# KiCad board master-circuit.kicad_pcb (continued)
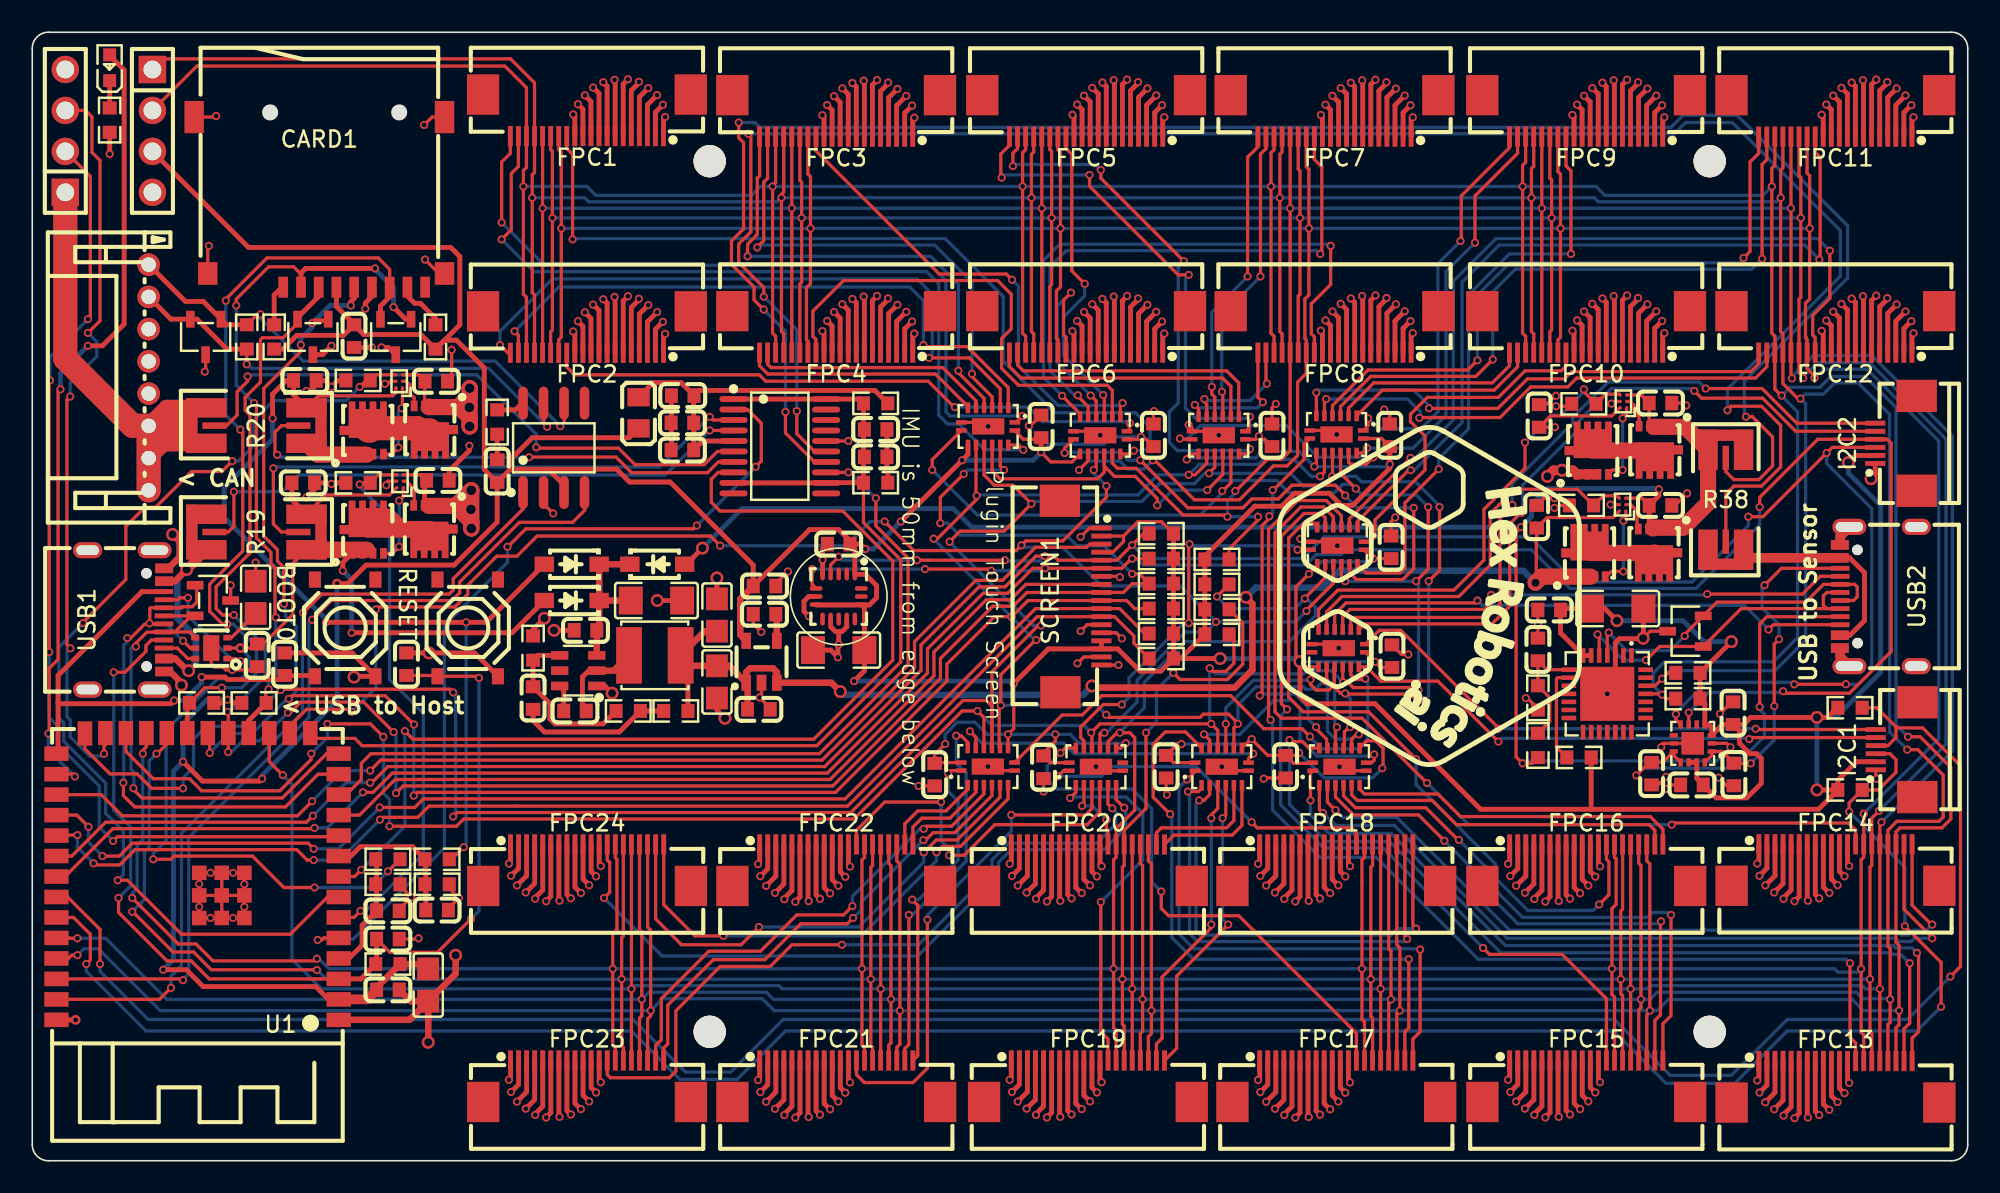
[diagram p0: board, top side]
## Routing (per net, layer and track width the routed paths; a pad name or vN(x,y) marks a point on that pad's centre or on a via; arc(x,y) is an arc through that point) (continued)
I2C1_BOOT0/STOP: length 34.6
  Top w0.2: v1(90.9,26.8) 90.9,26.85 84.85,32.9 83.51,32.9 U8.1 ; v1(106.85,26.8) 106.9,26.75 I2C1.6
  Bottom w0.2: v1(90.9,26.8) v1(106.85,26.8)
I2C1_NRST: length 34.1
  Top w0.2: I2C1.5 106.55,26.25 v1(106.45,26.15) ; U8.15 82.72,30.64 83.6,29.75 87.15,29.75 v1(90.9,26)
  Bottom w0.2: v1(90.9,26) 91.1,26.2 106.4,26.2 v1(106.45,26.15)
I2C1_SCL: length 151.8
  Top w0.2: I2C1.4 115.05,25.75 115.55,26.25 115.55,26.91 ; 115.55,26.91 115.61,26.85 117.2,26.85 119.55,24.5 119.55,12.05 v1(118.93,11.42) ; 115.55,26.91 114.36,28.1 R24.1 ; U1.34 2.19,16.36 4.2,14.35 v1(4.2,12.2)
  Bottom w0.2: v1(4.2,12.2) 4.2,11.75 7.19,8.76 37.24,8.76 40.5,5.5 43.3,5.5 46.56,8.76 53.56,8.76 53.56,8.76 54.02,8.76 54.02,8.76 69.16,8.76 69.16,8.76 69.62,8.76 69.62,8.76 84.56,8.76 84.56,8.76 85.02,8.76 85.02,8.76 98.09,8.76 101.55,5.3 105.35,5.3 108.81,8.76 115.51,8.76 115.51,8.76 116.26,8.76 v1(118.93,11.42)
I2C1_SDA: length 148.2
  Top w0.2: v1(116.1,14.56) 116.1,14.55 118.35,12.3 v1(118.35,9.55) ; v1(112.65,21.65) 112.65,22.2 R25.1 114.45,23 115.55,24.1 115.55,24.88 115.18,25.25 I2C1.3 ; v1(3.35,12.2) 3.6,12.45 3.6,14.05 2.56,15.09 U1.35
  Bottom w0.2: v1(116.1,14.56) 116.09,14.56 116.1,14.56 116.1,18.2 v1(112.65,21.65) ; v1(3.35,12.2) 3.35,11.75 7.05,8.05 37.15,8.05 40.15,5.05 43.7,5.05 46.7,8.05 98.05,8.05 101.3,4.8 105.55,4.8 108.8,8.05 116.85,8.05 v1(118.35,9.55)
I2C2_BOOT0/STOP: length 44.4
  Top w0.2: U8.3 81.75,33.52 81.93,33.7 90.2,33.7 91,34.5 91,39.9 91.76,40.66 v1(91.76,40.69) ; v1(103.75,47.9) 107.25,47.9 109.4,45.75 I2C2.6
  Bottom w0.2: v1(103.75,47.9) 103.35,48.3 97.7,48.3 95.5,46.1 95.5,45.75 91.75,42 91.75,40.7 v1(91.76,40.69)
I2C2_NRST: length 43.5
  Top w0.2: I2C2.5 109.33,45.25 107.28,47.3 103.5,47.3 v1(103.05,47.75) ; U8.2 82.6,33.3 90.5,33.3 91.6,34.4 91.6,39.5 92.3,40.2 v1(92.35,40.2)
  Bottom w0.2: v1(103.05,47.75) 102.9,47.9 97.9,47.9 95.9,45.9 95.9,45.4 92.4,41.9 92.4,40.25 v1(92.35,40.2)
I2C2_SCL: length 174.1
  Top w0.2: R18.1 v1(68.2,37.35) 68.15,37.35 67.55,36.75 SCREEN1.6 v1(62.8,36.75) 62.03,36.75 60.48,35.2 58.95,35.2 55.5,31.75 55.5,30.25 49.3,24.05 22.33,24.05 21.13,22.85 v1(20.5,22.85) ; U18.6 48.35,35.75 v1(48.35,36.7) ; v1(107.1,40.55) 107.1,41.15 110.7,44.75 I2C2.4 115,44.75 115.25,44.5 115.25,31.58 112.67,29 108.68,29 v1(108.55,29.12) ; U9.6 v1(102.7,27.8) ; v1(55.35,36.7) 59.3,36.7 59.4,36.6 v1(59.45,36.6) ; U1.33 2.03,17.63 5,20.6 17.45,20.6 v1(17.5,20.65)
  Bottom w0.2: v1(62.8,36.75) 62.65,36.6 v1(59.45,36.6) ; v1(102.7,27.8) 103.95,29.05 108.4,29.05 108.47,29.12 v1(108.55,29.12) ; v1(107.1,40.55) 107.1,39.45 103.15,35.5 95.35,35.5 92.95,37.9 81.44,37.9 81.14,37.6 79.6,37.6 78.95,36.95 68.88,36.95 68.48,37.35 v1(68.2,37.35) ; v1(17.5,20.65) 18.3,20.65 v1(20.5,22.85) ; v1(55.35,36.7) v1(48.35,36.7)
I2C2_SDA: length 172.2
  Top w0.2: v1(54.85,37.25) 55.12,37.25 55.12,37.25 55.58,37.25 55.58,37.25 v1(60.3,37.25) ; v1(112.44,29.56) 109.26,29.56 v1(109.25,29.55) ; U1.32 2.45,18.9 4.55,21 17,21 v1(17.4,21.4) ; v1(20.95,23.45) 21.05,23.45 22.05,24.45 49.13,24.45 55.1,30.42 55.1,32 58.7,35.6 60.32,35.6 62.22,37.5 v1(62.8,37.5) 63.35,37.5 63.6,37.25 SCREEN1.5 67.25,37.25 v1(68.2,38.2) 68.9,38.9 R17.1 ; I2C2.3 111.6,44.25 v1(111.25,43.9) 107.3,39.95 v1(106.4,39.95) ; U9.7 101.9,27.37 v1(101.9,27.7) ; v1(50,37.46) 49.5,36.96 U18.4
  Bottom w0.2: v1(111.25,43.9) 111.25,43.25 114.05,40.45 114.05,30.38 113.22,29.55 112.45,29.55 v1(112.44,29.56) ; v1(109.25,29.55) 109.12,29.68 103.8,29.68 101.9,27.78 v1(101.9,27.7) ; v1(60.3,37.25) 60.35,37.2 62.45,37.2 62.75,37.5 v1(62.8,37.5) ; v1(17.4,21.4) 19.45,23.45 v1(20.95,23.45) ; v1(50,37.46) 50.21,37.25 v1(54.85,37.25) ; v1(68.2,38.2) 69.05,37.35 78.75,37.35 80.1,38.7 92.85,38.7 95.65,35.9 102.9,35.9 106.4,39.4 v1(106.4,39.95)
REFERENCE: length 72.3
  Top w0.2: U1.15 17.57,26.2 20,26.2 20.45,25.75 48.65,25.75 53.85,30.95 53.85,37.27 51.54,39.58 R22.2
  Top w0.3: 43.48,42.05 U11.12 49.23,42.06 R22.2 R21.1 51.27,47.25 U11.20 43.48,47.25
RESET: length 66.2
  Top w0.2: v1(27.2,15) 25.13,12.93 22.17,12.93 C1.2 ; U1.3 17.88,11.28 17.88,11.28 17.42,11.28 17.42,11.28 10.97,11.28 9.85,12.4 8.35,12.4 5.35,15.4 v1(5.35,16.3) ; USB1.A8 7.39,32.3 7.05,31.96 7.05,31.6 5.75,30.3 v1(5.05,30.3) ; C5.2 25.08,30.1 SW2.1 27.6,30.05 v1(27.7,29.95)
  Top w0.3: U1.3 20.38,11.28 R1.1 21.35,12.25 C1.2
  Bottom w0.2: v1(5.05,30.3) 5.05,21.75 6.1,20.7 6.1,17.05 v1(5.35,16.3) ; v1(27.7,29.95) 27.7,15.5 v1(27.2,15)
RX: length 453.1
  Top w0.2: U10.26 100.61,29.46 v1(101.05,29.9) 101.41,30.26 R32.1 ; 84.1,19.65 84.1,13.15 84.24,13.01 v1(84.24,10.01) 84.24,9.89 84.1,9.75 84.1,6.2 ; 31.14,50.1 31.14,53.7 31,53.84 v1(31,59.73) 31,61.16 31.14,61.3 31.14,63.54 ; 68.7,6.2 68.7,7.9 68.84,8.04 v1(68.84,10.01) 68.84,18.31 68.7,18.45 68.7,19.65 ; 115.05,19.65 115.05,13.3 115.19,13.16 v1(115.19,10.01) 115.19,8.59 115.05,8.45 115.05,6.2 ; 62.09,63.54 62.09,62.57 61.95,62.43 v1(61.95,59.73) 61.95,51.43 62.09,51.29 62.09,50.1 ; v1(116.25,25.5) 116.9,25.5 118.48,23.92 118.48,21.33 118.21,21.05 115.6,21.05 115.05,20.5 FPC14.17 ; v1(2.8,13.8) 2.3,13.8 2.28,13.82 U1.36 ; v1(109.62,47.28) 109.47,47.28 108.54,48.21 FPC12.17 ; 46.59,50.1 46.59,51.29 46.45,51.43 v1(46.45,59.73) 46.45,59.95 46.59,60.09 46.59,63.54 ; H1.1 8.11,68.35 29.65,68.35 31.14,66.86 FPC1.17 ; 93.09,63.54 93.09,61.69 92.95,61.55 v1(92.95,59.73) 92.95,51.43 93.09,51.29 93.09,50.1 ; 99.6,6.2 99.6,9.35 99.74,9.49 v1(99.74,10.01) 99.74,18.31 99.6,18.45 99.6,19.65 ; 77.49,50.1 77.49,51.29 77.35,51.43 v1(77.35,59.73) 77.35,62.43 77.49,62.57 77.49,63.54 ; 53.1,6.2 53.1,7.17 53.24,7.31 v1(53.24,10.01) 53.24,18.31 53.1,18.45 53.1,19.65 ; 37.65,6.2 37.65,8.85 37.79,8.99 v1(37.79,10.01) 37.79,14.21 37.65,14.35 37.65,19.65 ; 108.54,50.1 108.54,51.29 108.4,51.43 v1(108.4,59.73) 108.4,61.45 108.54,61.59 108.54,63.54
  Bottom w0.2: v1(108.4,59.73) 108.15,59.48 97.1,59.48 96.85,59.73 v1(46.45,59.73) 46.2,59.48 34.5,59.48 34.25,59.73 v1(31,59.73) ; v1(101.05,29.9) 101.55,30.4 108.05,30.4 109.95,32.3 109.95,46.95 v1(109.62,47.28) 109.9,47.55 111.05,47.55 111.75,48.25 113.2,48.25 115.15,46.3 115.15,26.6 v1(116.25,25.5) ; v1(2.8,13.8) 4.55,13.8 8.34,10.01 v1(37.79,10.01) 38.23,10.45 45.51,10.45 45.95,10.01 100.3,10.01 100.74,10.45 113.1,10.45 113.5,10.05 115.15,10.05 v1(115.19,10.01)
SCREEN_CS: length 76.6
  Top w0.2: v1(21.54,21.91) 23.71,21.91 24.25,22.44 50.4,22.44 62.2,34.25 SCREEN1.11 67.42,34.25 68.97,32.7 R27.1 ; v1(3.49,20.71) 2.76,21.44 U1.30 ; v1(4.35,18.9) 5.4,18.9 6.2,19.7 17.1,19.7 v1(17.45,19.35)
  Bottom w0.2: v1(21.54,21.91) 18.97,19.35 v1(17.45,19.35) ; v1(4.35,18.9) 3.49,19.76 v1(3.49,20.71)
SCREEN_DC: length 77.2
  Top w0.2: v1(17.45,18.65) 17.05,18.65 16.4,19.3 6.37,19.3 5.42,18.35 3.9,18.35 v1(3.8,18.45) ; U1.31 1.53,20.2 v1(2.8,20.2) ; R26.1 69.25,31.15 68.3,32.1 68.3,32.55 67.1,33.75 SCREEN1.12 62.3,33.75 50.55,22 24.6,22 23.9,21.3 21.7,21.3 v1(21.56,21.16)
  Bottom w0.2: v1(17.45,18.65) 19.05,18.65 v1(21.56,21.16) ; v1(3.8,18.45) 2.8,19.45 v1(2.8,20.2)
SCREEN_RESET: length 54.1
  Top w0.2: U1.11 20.29,21.44 22.49,23.65 49.47,23.65 55.9,30.09 55.9,31.55 59.15,34.8 60.65,34.8 61.6,35.75 SCREEN1.8
SENSOR_BOOT0/STOP: length 33.5
  Top w0.2: v1(89.6,34.75) 89.45,34.6 81.45,34.6 80.75,33.9 U8.5 ; USB2.B8 107.95,33.25 v1(107.65,32.95)
  Bottom w0.2: v1(107.65,32.95) 106.15,34.45 89.9,34.45 v1(89.6,34.75)
SENSOR_CURRENT: length 54.2
  Top w0.2: U11.13 50.6,42.7 v1(50.6,42.7) ; U1.12 19.46,22.71 20.4,23.65 20.4,24.65 21,25.25 48.8,25.25 54.3,30.75 54.3,37.38 52.3,39.38 v1(52.3,41.1)
  Bottom w0.2: v1(50.6,42.7) 50.7,42.7 v1(52.3,41.1)
  Bottom w0.3: v1(52.3,41.1) 52.25,41.1 ; 50.65,42.7 v1(50.6,42.7)
SENSOR_NRST: length 33
  Top w0.2: v1(103.85,35.15) 109.75,35.15 110.85,36.25 USB2.A8 ; U8.4 81.25,33.75 81.7,34.2 90.05,34.2 90.45,34.6 v1(90.45,35.1)
  Bottom w0.2: v1(90.45,35.1) 103.8,35.1 v1(103.85,35.15)
SENSORS_CC1: length 25
  Top w0.2: v1(99.45,23.9) 100.26,24.71 C27.2 101.09,24.71 U9.10 101.77,25.14 U9.11 ; USB2.A5 107.55,33.75 107.1,33.3 v1(107.1,28.15)
  Bottom w0.2: v1(107.1,28.15) 107.1,28 107.4,27.7 107.4,26.32 105.43,24.35 101.54,24.35 101.53,24.36 101.07,24.36 101.06,24.35 99.9,24.35 99.45,23.9 v1(99.45,23.9)
SENSORS_CC2: length 21
  Top w0.2: v1(108,28.2) 108,32.05 v1(108.3,32.35) ; USB2.B5 108.45,36.75 v1(107.4,35.7) ; U9.14 104.13,25.14 U9.1 104.77,25.39 C28.2 105.51,24.65 v1(106.55,24.65)
  Bottom w0.2: v1(107.4,35.7) 107.25,35.55 107.25,34.3 108.3,33.25 v1(108.3,32.35) ; v1(108,28.2) 108,26.1 v1(106.55,24.65)
SENSORS_USB_D+: length 20.9
  Top w0.2: USB2.A6 112.91,34.75 113.15,34.99 113.15,35.6 113,35.75 USB2.B6 111.05,35.75 109.95,34.65 104.45,34.65 D8.2 102.45,32.65 v1(102.45,32.55) ; U10.4 97.65,32.67 v1(97.74,32.77)
  Bottom w0.2: v1(102.45,32.55) 101.55,31.65 98.85,31.65 97.74,32.76 v1(97.74,32.77)
SENSORS_USB_D-: length 21.2
  Top w0.2: v1(97.05,32.65) 97.15,32.55 U10.5 ; v1(100.05,31.05) 100.05,31.05 100.9,31.9 D8.1 105.95,34.25 USB2.B7 111.26,34.25 111.05,34.46 111.05,35.04 111.26,35.25 USB2.A7
  Bottom w0.2: v1(100.05,31.05) 100.05,31.05 98.65,31.05 v1(97.05,32.65)
SENSORS_VBUS: length 113.1
  Top w0.2: v1(105.29,25.65) 105.05,25.89 U9.2 ; v1(92.3,39.3) 92,39 92,25.05 v1(92.4,24.65) 92.99,24.65 R40.1 ; 100.27,45.52 100.25,45.55 C38.2 99.75,47.5 U7.C1 ; C50.2 99.8,41.1 U13.C1
  Top w0.3: v1(100.85,41.65) 100.85,41.25 C50.2 100.25,39.25 100.22,39.22 ; v2(41.55,38) 40.55,37 D9.2
  Top w1: 100.54,45.53 100.54,45.52 102.48,45.52 R38.1 103.9,40.8 102.37,39.27 100.49,39.27 100.49,39.22
  Bottom w0.2: v1(105.29,25.65) 104.44,24.8 92.55,24.8 v1(92.4,24.65)
  Bottom w0.3: v1(100.85,41.65) 100.8,41.7 93.95,41.7 92.95,40.7 92.95,39.95 v1(92.3,39.3) 58.25,39.3 57.1,40.45 44,40.45 v2(41.55,38)
SENSORS_VBUS_PINS: length 13.5
  Top w0.3: 112.09,37.4 112.68,37.4 113.6,36.48 113.6,33.5 112.7,32.6 112.09,32.6
  Top w0.6: 112.09,37.4 106.6,37.4 R38.2 106.5,37.5
SHIFT_BANK1_LATCH: length 100.6
  Top w0.2: v1(65.81,42.85) 65.96,43 U21.12 ; v1(73.39,33.43) 73.39,33.44 73.4,33.45 ; v1(19.8,27.85) 19.65,28 17,28 15.97,26.97 U1.16 ; v1(52.85,39.65) 54.65,37.85 61,37.85 v1(61.32,38.17) 61.6,38.45 63.9,38.45 66.6,41.15 v1(66.6,41.85) ; U24.12 80.66,35.81 79,34.15 v1(79,34.1) ; U27.12 66.2,26.49 66.26,26.55 v1(66.47,26.55) ; v1(21.3,34.2) 21.45,34.35 26.18,34.35 26.18,34.35 26.2,34.35 27,35.15 27,35.7 28.8,37.5 30.05,37.5 31.3,38.75 42.05,38.75 v1(42.65,38.15)
  Bottom w0.2: v1(61.32,38.17) 61.45,38.05 63.9,38.05 66.3,35.65 71.17,35.65 v1(73.39,33.43) ; v1(65.81,42.85) 65.81,42.64 v1(66.6,41.85) ; v1(73.39,33.43) 72.77,32.8 71.5,32.8 68.5,29.8 68.5,28.45 66.6,26.55 v1(66.47,26.55) ; v1(73.39,33.43) 78.33,33.43 v1(79,34.1) ; v1(19.8,27.85) 21.3,29.35 v1(21.3,34.2) ; v1(42.65,38.15) 50.45,38.15 51.95,39.65 v1(52.85,39.65)
SHIFT_BANK2_LATCH: length 169.4
  Top w0.2: v1(87.25,40.55) 87.25,36.62 v1(86.58,35.95) ; U23.12 73.31,43.01 72.96,42.66 v1(72.96,42.64) ; U25.12 80.61,42.49 80.6,42.47 v1(80.6,42.45) ; v1(86.3,28.55) 85.82,28.55 85.42,28.95 81.44,28.95 v1(81.4,28.99) 81.12,28.99 80.72,29.39 80.72,30.61 U8.12 80.72,30.61 80.72,29.52 80.4,29.2 79.6,29.2 79.25,29.55 v1(79.25,29.85) ; v1(26.1,21.35) 26.35,21.6 50.75,21.6 57.7,28.55 59.15,28.55 59.5,28.2 U29.12 59.5,30.33 62.37,33.2 v1(62.55,33.2) ; v1(26.1,29.05) 25.9,29.25 15.45,29.25 v1(15.4,29.2) ; U22.12 59.01,42.54 59.65,41.9 60.8,41.9 v1(61.95,40.75) 60.25,39.05 57.53,39.05 v1(56.88,38.4) ; U1.26 3.27,25.55 4.81,24 6.5,24 7.4,23.1 v1(9.35,23.1) ; U26.12 81.35,25.65 81.35,26.6 81.65,26.9 v1(81.71,26.9) ; U28.12 v1(74,27.1)
  Bottom w0.2: v1(74,27.1) 74,28.1 75.7,29.8 79.2,29.8 v1(79.25,29.85) ; v1(62.55,33.2) 62.05,33.2 56.88,38.38 v1(56.88,38.4) ; v1(61.95,40.75) 62.1,40.9 68.8,40.9 69.9,42 72.05,42 72.69,42.64 v1(72.96,42.64) 78.01,42.64 78.8,41.85 80.03,41.85 80.6,42.42 v1(80.6,42.45) 82.08,42.45 82.41,42.11 85.76,42.11 87.25,40.63 v1(87.25,40.55) ; v1(86.58,35.95) 86.58,28.83 v1(86.3,28.55) ; v1(26.1,29.05) 26.25,28.9 26.25,21.5 v1(26.1,21.35) ; v1(9.35,23.1) 9.35,23.75 10,24.4 10,26.15 10.8,26.95 13.15,26.95 v1(15.4,29.2) ; v1(81.71,26.9) 81.71,28.68 v1(81.4,28.99)
SHIFT_BANK_2_DATA_CONT: length 30.6
  Top w0.2: v1(79.21,26.31) 78.73,26.8 76.35,26.8 74.3,28.85 66.3,28.85 65.1,27.65 63.86,27.65 U29.9 ; U8.14 81.75,30.15 82.05,29.85 82.6,29.85 v1(82.65,29.9)
  Bottom w0.2: v1(79.21,26.31) 79.21,26.29 79.95,25.55 82.2,25.55 82.8,26.15 82.8,29.75 v1(82.65,29.9)
SHIFT_OE: length 169
  Top w0.2: v1(85.8,35.95) 86.55,36.7 v1(86.55,40.55) ; U8.13 81.25,29.7 v1(81.28,29.67) 81.57,29.67 81.9,29.35 85.8,29.35 v1(85.95,29.2) ; v1(21.77,26.3) 20.96,27.1 v1(18.3,27.1) ; U28.13 73.5,26.7 v1(73.1,27.1) 66.2,27.1 v1(65.65,26.56) 65.7,26.51 U27.13 ; U22.13 59.51,42.79 60,42.3 66.05,42.3 66.46,42.71 U21.13 66.46,43.09 67.1,42.45 68.38,42.45 69.75,41.08 v1(69.75,40.65) ; U1.24 5.81,25.39 7.5,23.7 9.75,23.7 10.5,22.95 15.35,22.95 17.3,24.9 v1(17.3,25.25) ; U24.13 81.16,36.19 v1(81.4,35.95) ; v1(80.89,26.9) 80.89,26.89 80.8,26.8 U26.13 ; U25.13 81.11,42.64 v1(82.06,41.69) ; v1(73,30.55) 73.2,30.35 74,30.35 74.5,30.85 74.5,32.35 R30.1 ; v1(22.15,20.75) 26.3,20.75 26.75,21.2 50.92,21.2 50.97,21.25 51,21.25 57.65,27.9 v1(58.6,27.9) 59,27.5 U29.13 ; v1(72.85,41.6) 73.81,42.56 U23.13
  Bottom w0.2: v1(65.65,26.56) 65.21,27 59.5,27 v1(58.6,27.9) ; v1(22.15,20.75) 22.15,22.42 21.77,22.8 v1(21.77,26.3) ; v1(81.4,35.95) v1(85.8,35.95) 85.95,35.8 v1(85.95,29.2) ; v1(18.3,27.1) 18.3,26.25 v1(17.3,25.25) ; v1(69.75,40.65) 70.7,41.6 v1(72.85,41.6) 73.45,42.2 77.15,42.2 77.9,41.45 80.75,41.45 81.25,41.95 81.8,41.95 v1(82.06,41.69) 82.45,41.3 85.8,41.3 v1(86.55,40.55) ; v1(80.89,26.9) 80.89,26.91 80.75,27.05 80.75,29.15 v1(81.28,29.67) 80.55,30.4 79.02,30.4 78.82,30.2 73.35,30.2 v1(73,30.55) 73,27.2 v1(73.1,27.1)
SPI3_CLK: length 460.1
  Top w0.2: 98.1,6.2 98.1,10.15 97.94,10.31 v1(97.94,11.91) 97.94,15.64 98.2,15.9 98.2,18.72 98.1,18.83 98.1,19.65 ; R29.1 73.45,35 v1(73.45,35) ; 78.99,50.1 78.99,50.92 78.9,51.01 78.9,53.45 79.15,53.7 v1(79.15,57.83) 79.15,61.5 78.99,61.66 78.99,63.54 ; 94.59,63.54 94.59,61.36 94.75,61.2 v1(94.75,57.83) 94.75,51.08 94.59,50.92 94.59,50.1 ; 63.59,50.1 63.59,50.92 63.5,51.01 63.5,53.95 63.75,54.2 v1(63.75,57.83) 63.75,62.56 63.59,62.72 63.59,63.54 ; 48.09,50.1 48.09,50.83 48,50.92 48,54.15 48.25,54.4 v1(48.25,57.83) 48.25,61.05 48.09,61.21 48.09,63.54 ; v1(78.9,34.87) 78.9,34.91 80.16,36.17 U24.11 ; v1(6.2,16.3) 9.05,13.45 10.15,13.45 11.2,12.4 17.52,12.4 v1(17.65,12.53) ; U1.23 7.08,25.67 6.85,25.45 v1(6.85,25.25) ; 82.6,6.2 82.6,8.6 82.44,8.76 v1(82.44,11.91) 82.44,18.67 82.6,18.83 82.6,19.65 ; U27.11 66.7,26 67.25,26.55 v1(67.43,26.55) 68.05,26.55 68.35,26.25 68.35,21.75 67.2,20.6 FPC20.14 ; FPC12.14 110.04,49.14 110.5,48.68 v1(110.5,48.55) ; 113.55,6.2 113.55,7.8 113.39,7.96 v1(113.39,11.91) 113.39,18.67 113.55,18.83 113.55,19.65 ; U21.11 65.46,43.41 v1(64.9,42.85) ; 51.6,6.2 51.6,7.03 51.44,7.19 v1(51.44,11.91) 51.44,18.67 51.6,18.83 51.6,19.65 ; FPC8.14 78.99,48.84 78.45,48.3 78.45,43.75 77.8,43.1 76.95,43.1 74.85,41 72.05,41 69.6,43.45 v1(69.48,43.45) ; 32.64,63.54 32.64,62.72 32.8,62.56 v1(32.8,57.83) 32.8,51.08 32.64,50.92 32.64,50.1 ; 110.04,63.54 110.04,61.26 110.2,61.1 v1(110.2,57.83) 110.2,53.45 109.94,53.19 109.94,51.05 109.99,51.05 109.99,50.97 110.04,50.92 110.04,50.1 ; 36.15,19.65 36.15,18.8 36.25,18.7 36.25,14.35 35.99,14.09 v1(35.99,11.91) 35.99,7.19 36.15,7.03 36.15,6.2 ; 67.2,19.65 67.2,18.83 67.04,18.67 v1(67.04,11.91) 67.04,8.26 67.2,8.1 67.2,6.2 ; v1(113.55,21.53) FPC14.14
  Bottom w0.2: v1(64.9,42.85) 65.45,43.4 67.43,43.4 67.93,42.9 68.93,42.9 v1(69.48,43.45) ; v1(6.2,16.3) 6.2,16.58 6.5,16.88 6.5,19.55 6.85,19.9 v1(6.85,25.25) ; v1(113.55,21.53) 118.2,26.18 118.2,44.65 113.75,49.1 111.05,49.1 v1(110.5,48.55) ; v1(67.43,26.55) 67.43,26.58 68.95,28.1 68.95,29.68 71.47,32.2 77.95,32.2 79.55,33.8 79.55,34.33 79.01,34.87 v1(78.9,34.87) 78.9,34.87 78.28,34.25 74.2,34.25 v1(73.45,35) ; v1(32.8,57.83) v1(110.2,57.83) ; v1(17.65,12.53) 17.77,12.53 18.39,11.91 v1(35.99,11.91) 111.74,11.91 111.95,11.7 113.18,11.7 v1(113.39,11.91)
SPI3_MISO: length 421.8
  Top w0.2: 109.54,63.54 109.54,61.11 109.65,61 v1(109.65,58.48) 109.65,53.55 109.54,53.44 109.54,50.1 ; 47.59,63.54 47.59,60.81 47.7,60.7 v1(47.7,58.48) 47.7,54.5 47.59,54.39 47.59,50.1 ; 114.05,19.65 114.05,18.32 113.94,18.21 v1(113.94,11.26) 113.94,8.06 114.05,7.95 114.05,6.2 ; 32.14,50.1 32.14,51.42 32.25,51.53 v1(32.25,58.48) 32.25,62.62 32.14,62.73 32.14,63.54 ; 94.09,50.1 94.09,51.42 94.2,51.53 v1(94.2,58.48) 94.2,60.85 94.09,60.96 94.09,63.54 ; 63.09,50.1 63.09,54.24 63.2,54.35 v1(63.2,58.48) 63.2,62.62 63.09,62.73 63.09,63.54 ; 67.7,6.2 67.7,8.35 67.59,8.46 v1(67.59,11.26) 67.59,18.21 67.7,18.32 67.7,19.65 ; 83.1,6.2 83.1,8.85 82.99,8.96 v1(82.99,11.26) 82.99,18.21 83.1,18.32 83.1,19.65 ; FPC20.15 67.7,20.5 69.05,21.85 v1(69.05,26.55) ; v1(7.7,25.25) 7.74,25.25 8.34,25.86 U1.22 ; 36.65,19.65 36.65,13.95 36.54,13.84 v1(36.54,11.26) 36.54,7.13 36.65,7.02 36.65,6.2 ; v1(114.5,21.7) 114.05,21.25 FPC14.15 ; v1(6.2,15.45) 6.22,15.45 8.72,12.95 10,12.95 11.1,11.85 17.63,11.85 v1(17.65,11.83) ; v1(70.75,30.27) 71.17,29.85 74.1,29.85 75.05,30.8 75.05,33.35 R28.1 ; 78.49,50.1 78.49,53.64 78.6,53.75 v1(78.6,58.48) 78.6,61.4 78.49,61.51 78.49,63.54 ; v1(109.8,48.55) 109.8,48.62 109.54,48.88 FPC12.15 ; 52.1,19.65 52.1,18.32 51.99,18.21 v1(51.99,11.26) 51.99,7.13 52.1,7.02 52.1,6.2 ; 98.6,6.2 98.6,10.25 98.49,10.36 v1(98.49,11.26) 98.49,15.49 98.6,15.6 98.6,19.65
  Bottom w0.2: v1(17.65,11.83) 17.67,11.83 18.24,11.26 v1(36.54,11.26) v1(113.94,11.26) ; v1(69.05,26.55) 69.7,27.2 69.7,29.22 v1(70.75,30.27) ; v1(109.8,48.55) 109.8,48.63 110.67,49.5 113.92,49.5 118.65,44.77 118.65,25.85 v1(114.5,21.7) ; v1(7.7,25.25) 7.25,24.8 7.25,19.45 6.95,19.15 6.95,16.2 v1(6.2,15.45) ; v1(109.65,58.48) v1(32.25,58.48)
SPI3_MOSI: length 421.1
  Top w0.2: 93.59,50.1 93.59,63.54 ; 99.1,6.2 99.1,19.65 ; 114.55,19.65 114.55,6.2 ; 47.09,63.54 47.09,50.1 ; 83.6,19.65 83.6,6.2 ; 77.99,63.54 77.99,50.1 ; v1(15.54,23.91) 14.69,24.75 U1.17 ; R13.1 74.2,37.95 76,39.75 v1(76,39.95) ; 37.15,6.2 37.15,19.65 ; v1(114.65,21) 114.55,20.9 FPC14.16 ; 62.59,50.1 62.59,63.54 ; 68.2,19.65 68.2,6.2 ; FPC8.16 77.99,44.04 77.45,43.5 76.57,43.5 74.62,41.55 v1(74.59,41.55) ; 31.64,63.54 31.64,50.1 ; v1(109.1,48.53) 109.1,48.53 109.1,48.55 109.04,48.6 FPC12.16 ; v1(74.1,39.95) 74,40.05 71.35,40.05 68.45,42.95 67.28,42.95 66.96,43.27 U21.14 ; 52.6,6.2 52.6,19.65 ; 109.04,63.54 109.04,50.1
  Bottom w0.2: v1(109.1,48.53) 109.1,48.63 110.42,49.95 114.05,49.95 119.05,44.95 119.05,25.4 v1(114.65,21) ; v1(15.54,23.91) 16.1,23.35 16.1,12.5 17.94,10.66 v1(37.15,10.66) 37.35,10.86 46.3,10.86 46.5,10.66 100.1,10.66 100.3,10.86 113.45,10.86 113.65,10.66 v1(114.55,10.66) ; v1(76,39.95) v1(74.1,39.95) 74.1,40.95 74.59,41.44 v1(74.59,41.55) ; v1(31.64,59.08) v1(109.04,59.08)
  vias: v1(47.09,59.08) v1(52.6,10.66) v1(62.59,59.08) v1(68.2,10.66) v1(77.99,59.08) v1(83.6,10.66) v1(93.59,59.08) v1(99.1,10.66)
STATUS_LED: length 49.6
  Top w0.2: U1.28 2.5,23.98 v1(2.64,23.84) ; v1(1.75,47.85) 1.6,47.7 1.6,31.1 1.05,30.55 1.05,26.55 v1(1,26.5)
  Top w0.3: v1(3.45,50.55) 4.35,50.55 5.7,51.9 5.7,67.65 4.75,68.6 LED1.2
  Bottom w0.2: v1(1,26.5) 1,25.47 2.64,23.84 v1(2.64,23.84)
  Bottom w0.3: v1(1.75,47.85) 1.75,48.85 v1(3.45,50.55)
TOUCH_INT: length 73.3
  Top w0.2: v1(20.95,24.2) 21.6,24.85 48.97,24.85 54.7,30.58 54.7,32.2 58.5,36 60.15,36 62.2,38.05 65.36,38.05 65.36,38.06 65.55,38.25 SCREEN1.3 ; U1.29 4.27,22.71 5.58,21.4 16.45,21.4 v1(17.35,22.3)
  Bottom w0.2: v1(20.95,24.2) 19.25,24.2 v1(17.35,22.3)
TX: length 458.7
  Top w0.2: 69.2,6.2 69.2,7.7 69.39,7.89 v1(69.39,9.31) 69.39,18.41 69.2,18.6 69.2,19.65 ; 30.64,50.1 30.64,53.56 30.45,53.75 v1(30.45,60.43) 30.45,61.42 30.64,61.61 30.64,63.54 ; FPC14.18 115.55,20.4 115.8,20.65 118.4,20.65 118.95,21.2 118.95,24.4 117.05,26.3 v1(116.3,26.3) ; 84.6,6.2 84.6,9.15 84.76,9.31 v1(84.79,9.31) 84.79,13.21 84.6,13.4 84.6,19.65 ; 100.1,19.65 100.1,18.6 100.29,18.41 v1(100.29,9.31) 100.29,9.24 100.1,9.05 100.1,6.2 ; 46.09,50.1 46.09,51.14 45.9,51.33 v1(45.9,60.43) 45.9,60.5 46.09,60.69 46.09,63.54 ; 108.04,63.54 108.04,61.74 107.85,61.55 v1(107.85,60.43) 107.85,51.33 108.04,51.14 108.04,50.1 ; 38.15,19.65 38.15,14.5 38.34,14.31 v1(38.34,9.31) 38.34,8.99 38.15,8.8 38.15,6.2 ; 92.59,50.1 92.59,51.14 92.4,51.33 v1(92.4,60.43) 92.4,61.75 92.59,61.94 92.59,63.54 ; 115.55,6.2 115.55,8.25 115.74,8.44 v1(115.74,9.31) 115.74,13.36 115.55,13.55 115.55,19.65 ; 53.6,19.65 53.6,18.6 53.79,18.41 v1(53.79,9.31) 53.79,7.22 53.6,7.03 53.6,6.2 ; v1(108.46,47.46) 108.44,47.46 108.04,47.86 FPC12.18 ; 61.59,50.1 61.59,51.14 61.4,51.33 v1(61.4,60.43) 61.4,62.53 61.59,62.72 61.59,63.54 ; H1.2 10.2,67.9 29.3,67.9 30.64,66.56 FPC1.18 ; U10.25 101,28.96 v1(101.05,28.91) 101.3,28.66 R33.1 ; 76.99,50.1 76.99,51.14 76.8,51.33 v1(76.8,60.43) 76.8,62.53 76.99,62.72 76.99,63.54 ; U1.37 2.25,12.55 2.45,12.75 v1(2.8,12.75)
  Bottom w0.2: v1(115.74,9.31) 113.54,9.31 112.85,10 101.44,10 100.75,9.31 46,9.31 45.26,10.05 39.08,10.05 v1(38.34,9.31) 7.94,9.31 4.1,13.15 3.2,13.15 v1(2.8,12.75) ; v1(116.3,26.3) 115.55,27.05 115.55,46.73 113.63,48.65 111.5,48.65 110.83,47.98 108.98,47.98 v1(108.46,47.46) 108.46,47.44 109.45,46.45 109.45,32.45 107.95,30.95 101.2,30.95 100.5,30.25 100.5,29.46 v1(101.05,28.91) ; v1(30.45,60.43) 30.45,60.44 34.39,60.44 34.94,59.89 44.6,59.89 45.15,60.43 96.95,60.43 97.5,59.89 107.3,59.89 v1(107.85,60.43)
USB_D+: length 32
  Top w0.2: USB1.B6 7.52,32.8 7.5,32.78 7.1,32.78 6.42,32.1 v1(6.42,31.89) ; USB1.B6 8.85,32.8 9.85,33.8 D2.2 USB1.A6 ; USB1.B6 9.8,32.8 10.1,32.5 U5.4 ; U1.14 18.25,25.25 15.5,22.5 6.8,22.5 6.3,23 6.3,23.12 v1(6.28,23.1)
  Bottom w0.2: v1(6.28,23.1) 6.3,23.13 6.3,24.1 6.12,24.28 6.12,31.81 6.21,31.89 v1(6.42,31.89)
USB_D-: length 36.5
  Top w0.2: v1(9.35,32.25) 9.8,31.8 U5.5 ; v1(5.65,23.45) 5.65,22.65 6.35,21.95 15.7,21.95 17.73,23.98 U1.13 ; v1(5.89,32.42) 6.1,32.42 6.96,33.28 7.27,33.28 7.3,33.3 USB1.A7 7.34,33.3 7.29,33.35 7.29,34.25 7.34,34.3 USB1.B7 9.28,34.3 9.28,34.37 9.92,34.37 10.2,34.65 10.2,35.6 D2.1
  Bottom w0.2: v1(5.65,23.45) 5.67,23.47 5.67,31.99 5.89,32.21 v1(5.89,32.42) ; v1(9.35,32.25) 8.27,33.33 v1(7.27,33.33)
Net-(CARD1-DAT1(RSV)): length 3.3
  Top w0.3: R12.1 25,52.25 24.07,53.19 23.71,53.19 23.26,53.64 CARD1.8
Net-(CARD1-DAT2(RSV)): length 2.6
  Top w0.3: R11.1 15,53.7 15.49,54.19 CARD1.1
Net-(D1--): length 9.6
  Top w0.4: D9.1 D3.1 D1.1 ; U4.3 C22.2 35.15,33.05 D1.1 ; D1.1 C21.2
Net-(LED1-K): length 1.7
  Top w0.3: LED1.1 R23.1
Net-(Q1-D): length 4
  Top w1.5: Q2.5 20.95,45.3 21.09,45.44 23.85,45.44 23.99,45.3 24.65,45.3
Net-(Q1-G): length 2
  Top w0.2: U2.B1 23.2,48.35 23.4,48.15 23.4,47.6 23.67,47.33 23.67,46.77
Net-(Q2-G): length 4.9
  Top w0.2: Q2.4 22.29,43.83 v1(22.7,44.24) ; v1(22.9,46.68) 22.95,46.73 U2.A1
  Bottom w0.2: v1(22.7,44.24) 22.7,46.48 v1(22.9,46.68)
Net-(Q3-D): length 3.8
  Top w1: Q4.5 100.6,44.05
Net-(Q3-G): length 2
  Top w0.2: 99.6,45.5 99.62,45.52 99.62,46.13 99.3,46.45 99.3,46.85 99.05,47.1 U7.B1
Net-(Q4-G): length 4.9
  Top w0.2: Q4.4 98,42.85 v1(98.6,42.85) ; U7.A1 98.85,46.3 v1(98.6,46.05)
  Bottom w0.2: v1(98.6,46.05) v1(98.6,42.85)
Net-(Q5-D): length 6.7
  Top w1: 22.1,39.95 22.87,39.18 Q5.5 24.6,39.15 Q6.5
Net-(Q5-G): length 1.9
  Top w0.2: U12.B1 23.2,42.15 23.67,41.67 23.67,40.62 23.67,40.62
Net-(Q6-G): length 5.2
  Top w0.2: v1(22.75,40.95) 23,41.2 U12.A1 ; v1(22.75,38.09) 22.34,37.68 Q6.4 21.78,37.78 21.88,37.88
  Bottom w0.2: v1(22.75,40.95) v1(22.75,38.09)
Net-(Q7-D): length 4
  Top w1: 100.58,37.73 100.55,37.7 Q8.5
Net-(Q7-G): length 2
  Top w0.2: 99.57,39.22 99.5,39.3 99.5,40.3 99.1,40.7 U13.B1
Net-(Q8-G): length 4.8
  Top w0.2: v1(98.65,36.55) 97.9,36.55 97.75,36.4 ; v1(98.65,39.7) 98.8,39.85 U13.A1
  Bottom w0.2: v1(98.65,39.7) v1(98.65,36.55)
Net-(U5-VSET): length 2.4
  Top w0.2: U5.3 12.35,32.45 U6.2
Net-(U10-RSTb): length 5.9
  Top w0.2: R39.2 94.5,25.66 94.5,29.88 94.58,29.96 U10.9
Net-(U10-VBUS): length 7.3
  Top w0.2: U10.8 93.9,30.46 C18.1 R41.1 94.08,28.73 94.08,27.25 R40.2
Net-(U17-RS): length 1.8
  Top w0.3: 30.44,47.07 29.95,46.58 R31.2
Net-(U22-Q7S): length 25.6
  Top w0.2: U23.14 74.31,42.05 73.81,41.55 v1(73.78,41.55) ; U22.9 55.8,43.49 v1(55.8,42.85)
  Bottom w0.2: v1(73.78,41.55) 73.78,41.42 72.4,40.05 58.6,40.05 v1(55.8,42.85)
Net-(U25-Q7S): length 23.7
  Top w0.2: v1(76.1,28.85) 76.25,29 76.25,39.4 76.7,39.85 v1(76.7,39.98) ; U25.9 78.85,44.44 78.85,43.5 76.95,41.6 v1(76.91,41.6) ; v1(79.6,26.9) 79.6,26.8 80.25,26.15 80.25,25.65 U26.14
  Bottom w0.2: v1(79.6,26.9) 79.1,27.4 79.1,28.15 78.3,28.95 76.2,28.95 v1(76.1,28.85) ; v1(76.7,39.98) 76.91,40.19 v1(76.91,41.6)
Net-(U28-Q7S): length 20
  Top w0.2: U29.14 58.5,26.27 v1(58.14,26.64) ; 75.41,24.71 U28.9 75.41,24.96 v1(75.7,25.25)
  Bottom w0.2: 58.15,26.65 v1(58.14,26.64) 58.87,25.9 63.95,25.9 64.6,25.25 v1(75.7,25.25)

## Copper pours and planes (outline as drawn; the poured copper is in the pictures)
GND on In2.Cu: -8.29,75.14 130.62,75.14 130.62,-10.12 -8.29,-10.12
VCC on In1.Cu: -10.71,77.69 128.2,77.69 128.2,-7.57 -10.71,-7.57

## Text on the board
B.Silkscreen: B0 / RST / SCL / SDA / 3V3 / GND | GND / BAT2 / BAT1 / VBAT | RX / TX / 3V3 / GND | I2C2 | I2C1 | CANL / CANH / GND / GND / GND / VBAT / VBAT / VBAT
User.Drawings: IMU Position
F.Silkscreen: IMU is 50mm from edge below | Plugin Touch Screen | BOOT0 | RESET | < CAN | < USB to Host | USB to Sensor
